# Altium PCB transceiver_board_V1.PcbDoc (part 2 of 3)
Units mm, origin at the board's own origin, x right, y up, seen from the top; angles counter-clockwise.
Board outline 93.88 x 97.28 mm, 4 copper layers (L1-CU, L2-CU, L3-CU, L4-CU), stack 1.602 mm thick; 102 components, 133 nets, 517 pads, 379 vias.
Unrouted connection lines stored in the file: 680.
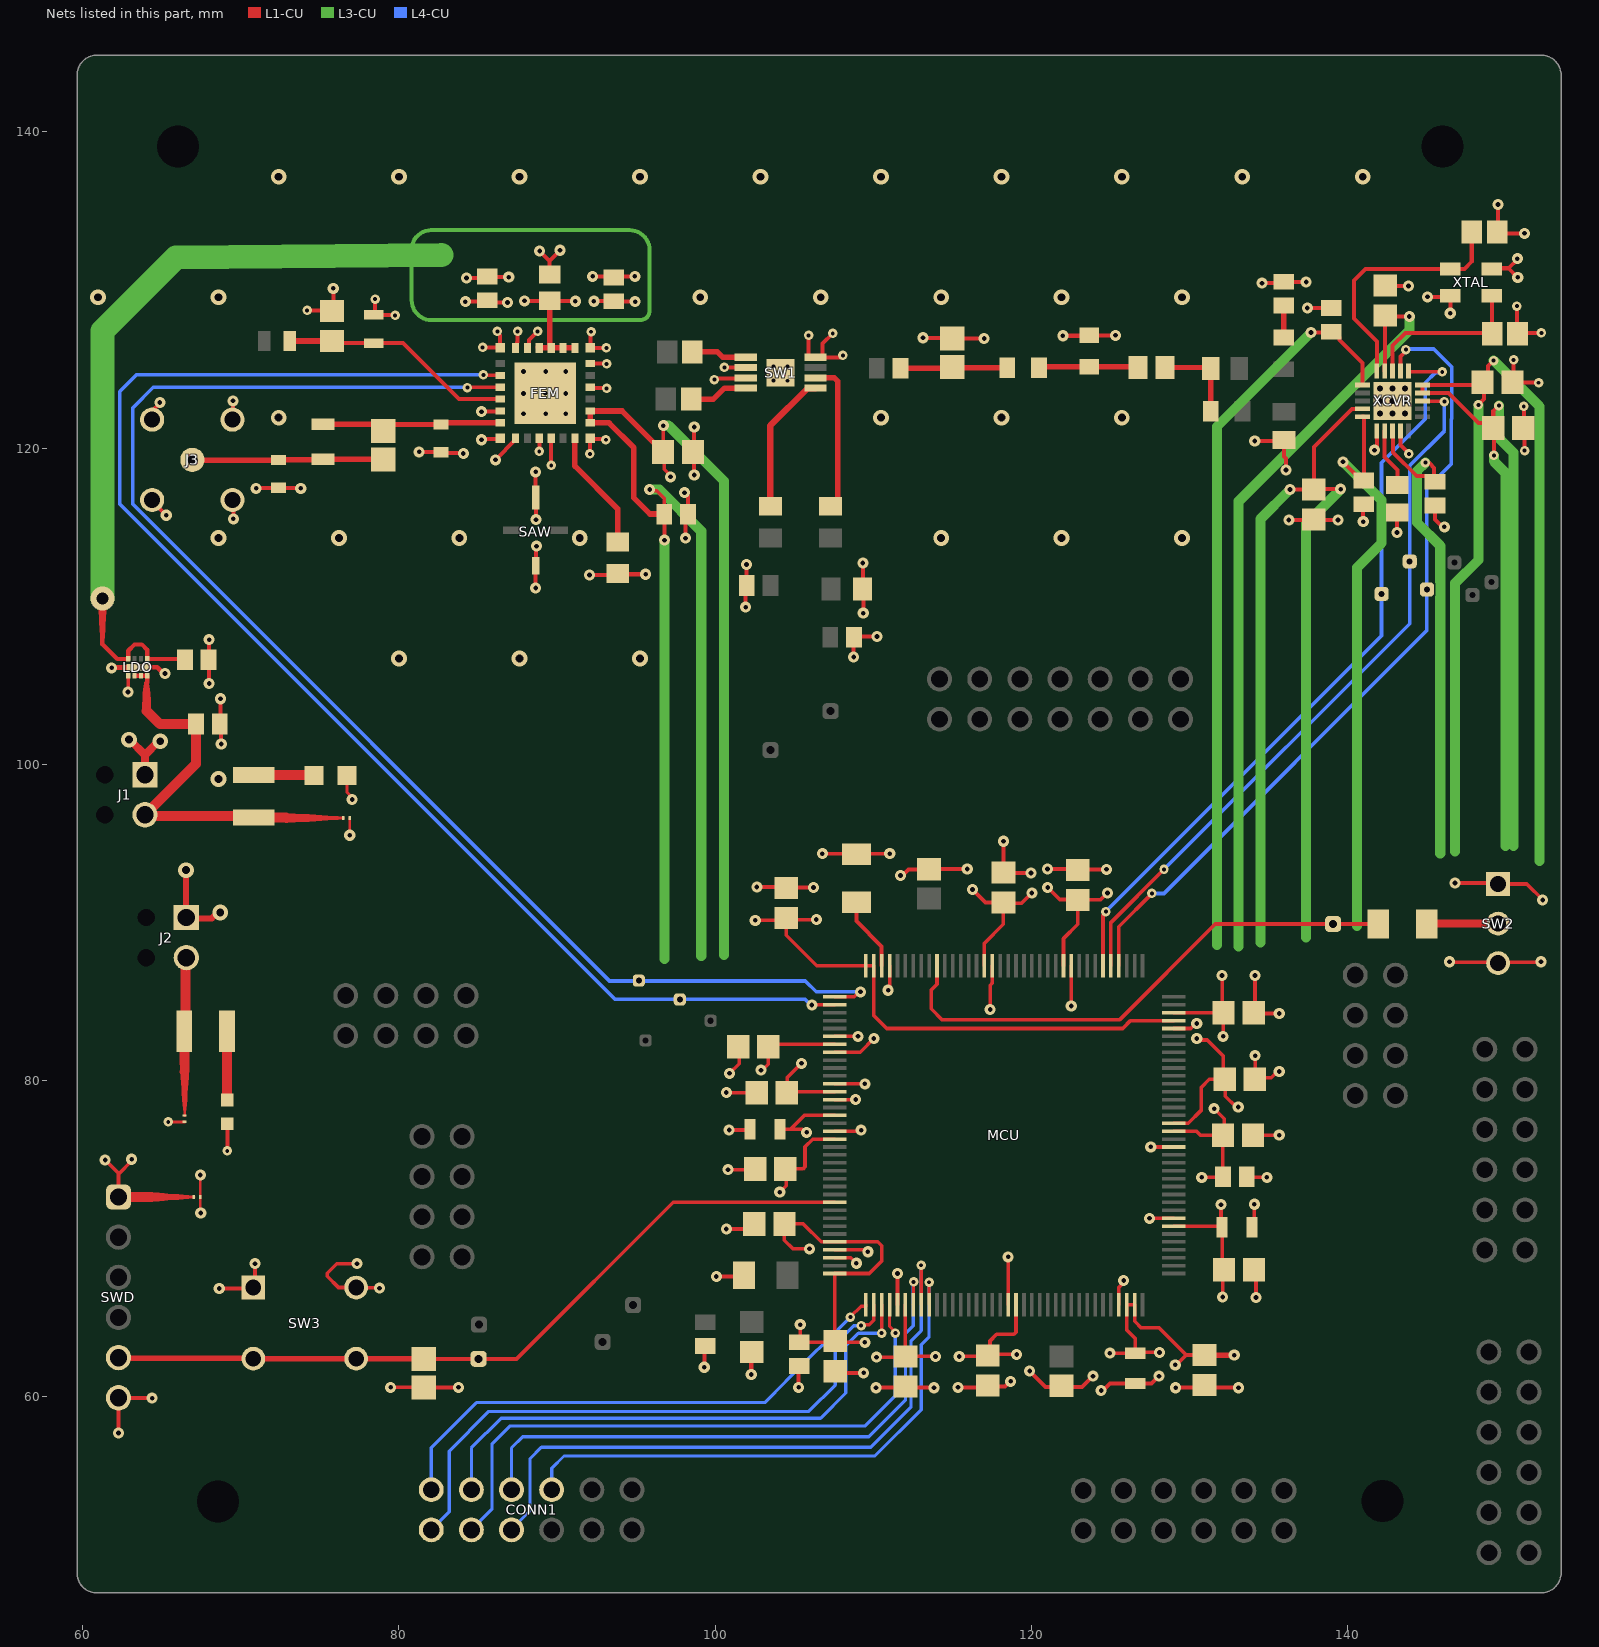
[diagram p4: the nets of this part, all layers, seen from the top]

## Part data (continued)
L5: library part CMP-006-00034-1, "General Purpose Inductor, 0.012uH, 5%, 1 Element, Ceramic-Core, SMD, 0805", Case/Size Code=0805, DC Resistance (DCR)=350mR, Inductance-Nom (L)=0.012uH, Inductor Application="RF INDUCTOR", Inductor Type="GENERAL PURPOSE INDUCTOR", Manufacturer Series=AIMC-0805, Max Current Rating=300mA, Max Operating Temperature=125°C, Min Operating Temperature=-55°C, Self Resonant Frequency=1.9GHz, Test Frequency=15MHz, Tolerance=5%, Channels=1, Core Material=Ceramic, Pins=2, Quality Factor-Min (at L-nom)=100, Reach SVHC Compliant=Yes, RoHS Compliant=Yes, Shape/Size Description="RECTANGULAR PACKAGE", Shielding=Unshielded, Surface Mount=Yes, Terminal Placement="Dual Ended", Termination=Wraparound
LDO: library part CMP-031-00016-2, "Fixed Positive LDO Regulator, 3.9V, 0.13V Dropout, CMOS, PDSO8", Case/Package=HVSON, Dropout Voltage1-Max=130mV, Manufacturer_Name=onsemi, Max Supply Voltage=5.5V, Min Input Voltage=4.4V, Mouser Part Number=863-NCP186AMX390TAG, Operating Temperature, TJ-Max=125°C, Operating Temperature, TJ-Min=-40°C, Output Current1-Max=1A, Output Voltage1-Max=3.939V, Output Voltage1-Min=3.822V, Output Voltage1-Nom=3.9V, Package Body Material=Plastic, Package Shape=Rectangular, Package Style="SMALL OUTLINE, HEAT SINK/SLUG, VERY THIN PROFILEMeter", Arrow Part Number=NCP186AMX390TAG, Arrow Price/Stock=https://www.arrow.com/en/products/ncp186amx390tag/on-semiconductor?region=nac, Channels=1, Datasheet Link=https://www.onsemi.com/pub/Collateral/NCP186-D.PDF, Design Item ID=NCP186AMX390TAG, Height - Seated (Max)=0.45mm, JESD-30 Code=R-PDSO-N8, JESD-609 Code=e4, Length=1.6mm, Manufacturer_Part_Number=NCP186AMX390TAG, Moisture Sensitivity Level=1, Mouser Price/Stock=https://www.mouser.co.uk/ProductDetail/onsemi/NCP186AMX390TAG?qs=tCMd4XlZ%2FiBm0g5PCqviEQ%3D%3D, Pins=8, Reach SVHC Compliant=Yes, Regulator Type="FIXED POSITIVE SINGLE OUTPUT LDO REGULATOR", RoHS Compliant=Yes, Source=SamacSys.SchLib, Surface Mount=Yes, Technology=CMOS, Terminal Finish=Nickel, Terminal Form="No Lead", Terminal Pitch=0.4mm, Terminal Position=DUAL, Width=1.2mm
LED1: library part CMP-007-00038-1, "Single Color LED, Orange, Water Clear, 1.4mm", Color=Orange, Forward Current=30mA, Forward Voltage=2.4V, Max Operating Temperature=85°C, Min Operating Temperature=-55°C, Reverse Voltage-Max=5V, Channels=1, Color@wavelength=Orange, JESD-609 Code=e3, Lens Style="WATER CLEAR", Luminous Intensity-Nom=60mcd, Mounting Technology="Surface Mount", Optoelectronic Device Type="SINGLE COLOR LED", Overall Height=1.1mm, Packaging="Tape and Reel", Pins=2, Reach SVHC Compliant=Yes, RoHS Compliant=Yes, Shape=Rectangular, Size=1.4mm, Terminal Finish=Tin, Terminal Pitch=2.1mm, Viewing Angle=130°
LED2: library part CMP-007-00024-2, "LED Uni-Color Red, 62.5 mW, 25 mA, -30 to 85 degC, 2-Pin SMD, RoHS, Tape and Reel", Case/Package=0603, Colour=Red, Forward Current=20mA, Forward Voltage=2V, Manufacturer=Lite-On, Max Operating Temperature=85°C, Min Operating Temperature=-55°C, Package Description="2-Pin Surface Mount Device, Body 1.6 x 0.8 mm", Package Quantity=3000, Package Reference=C191KRKT, Power=75mW, Datasheet URL=http://optoelectronics.liteon.com/upload/download/DS-22-99-0151/S_110_LTST-C190KRKT.pdf, Datasheet Version="Rev. F, 05/2013", Illumination Colour=Red, Lens Style=Diffused, Luminous Intensity=54mcd, Manufacturer URL=http://www.us.liteon.com/, Mounting Technology=SM, Nominal Vf=2V, Packaging=TapeandReel, Pins=2, RoHS Compliant=True, Viewing Angle=130degrees
MCU: library part CMP-058-000001-2, "No Description Available", Mfr_Name=STMicroelectronics, Design Item ID=STM32H745ZIT3, RefDes=RefDes, Source=STM32H745ZIT3.SchLib, Type=Type
MH1 MH2: library part CMP-00028-00000-5, "Copper Pillar, M2 Screw", Manufacturer="B&F Fastener Supply", Package Description="1-Pin Surface Mount Device, Diameter 3.7 mm", Case/Package=MPMS0020012PH, Datasheet URL=https://datasheet.ciiva.com/1034/metd7985a-1034196.pdf, Datasheet Version=42095, Drive Type=Phillips, Manufacturer URL=http://www.bffastenersupply.com/, Mounting Technology=TH, Package Reference=MPMS0020012PH, Pins=1, RoHS Compliant=False, Screw Head Type=PanHead, Thread Size=M2, Type=MachineScrew
MH3 MH4: library part CMP-00028-00000-4, "Copper Pillar, M2 Screw", Manufacturer="B&F Fastener Supply", Package Description="1-Pin Surface Mount Device, Diameter 3.7 mm", Case/Package=MPMS0020012PH, Datasheet URL=https://datasheet.ciiva.com/1034/metd7985a-1034196.pdf, Datasheet Version=42095, Drive Type=Phillips, Manufacturer URL=http://www.bffastenersupply.com/, Mounting Technology=TH, Package Reference=MPMS0020012PH, Pins=1, RoHS Compliant=False, Screw Head Type=PanHead, Thread Size=M2, Type=MachineScrew
R1 R2 R3 R8: library part CMP-009-00007-5, "Chip Resistor, 0 Ohm, 0.125 W, -55 to 155 degC, 0805 (2012 Metric)", Case/Package=0805, Max Operating Temperature=155°C, Min Operating Temperature=-55°C, Power=125mW, Tolerance=5%, Voltage Rating=50V, Mounting Technology=SM, Pins=2, RoHS Compliant=True
R4: library part CMP-009-00202-1, "Fixed Resistor, Metal Glaze/thick Film, 0.125W, 56000ohm, 150V, 5% +/-Tol, 200ppm/Cel, Surface Mount, 0805", Case/Package=0805, Max Operating Temperature=155°C, Min Operating Temperature=-55°C, Package Height=0.6mm, Package Length=2mm, Package Shape=Rectangular, Package Width=1.25mm, Power=125mW, Rated Temperature=70°C, Resistor Type="FIXED RESISTOR", Temperature Coefficient (ppm/Cel)=200, Tolerance=5%, Working Voltage=150V, Construction=Rectangular, JESD-609 Code=e3, Mounting Technology="Surface Mount", Packaging="Tape and Reel", Pins=2, Reach SVHC Compliant=Yes, Reference Standard=AEC-Q200, RoHS Compliant=Yes, Technology="METAL GLAZE/THICK FILM", Terminal Finish=Nickel, Termination=Wraparound
R5 R6: library part CMP-009-00203-1, "Fixed Resistor, Metal Glaze/thick Film, 0.5W, 150ohm, 200V, 5% +/-Tol, 200ppm/Cel, Surface Mount, 1210", Case/Package=1210, Max Operating Temperature=155°C, Min Operating Temperature=-55°C, Package Height=0.55mm, Package Length=3.2mm, Package Shape=Rectangular, Package Width=2.5mm, Power=500mW, Rated Temperature=70°C, Resistor Type="FIXED RESISTOR", Temperature Coefficient (ppm/Cel)=200, Tolerance=5%, Working Voltage=200V, Additional Feature="RATED AC VOLTAGE (V): 200", Construction=Chip, JESD-609 Code=e3, Mounting Technology="Surface Mount", Packaging="Tape and Reel", Pins=2, Reach SVHC Compliant=Yes, Reference Standard=AEC-Q200, RoHS Compliant=Yes, Technology="METAL GLAZE/THICK FILM", Terminal Finish=Nickel, Termination=Wraparound
R7: library part CMP-009-00200-1, "Fixed Resistor, Metal Glaze/thick Film, 0.125W, 10000ohm, 150V, 1% +/-Tol, 100ppm/Cel, Surface Mount, 0805", Case/Package=0805, Max Operating Temperature=155°C, Min Operating Temperature=-55°C, Package Height=0.5mm, Package Length=2mm, Package Shape=Rectangular, Package Width=1.25mm, Power=125mW, Rated Temperature=70°C, Resistor Type="FIXED RESISTOR", Temperature Coefficient (ppm/Cel)=100, Tolerance=1%, Working Voltage=150V, Additional Feature="LASER TRIMMABLE", Construction=Chip, JESD-609 Code=e3, Mounting Technology="Surface Mount", Packaging="Tape and Reel", Pins=2, Reach SVHC Compliant=Yes, RoHS Compliant=Yes, Technology="METAL GLAZE/THICK FILM", Terminal Finish=Nickel, Termination=Wraparound
R9: library part CMP-009-00201-1, "Fixed Resistor, Metal Glaze/thick Film, 0.25W, 47ohm, 200V, 5% +/-Tol, 200ppm/Cel, Surface Mount, 1206", Case/Package=1206, Max Operating Temperature=155°C, Min Operating Temperature=-55°C, Package Height=0.55mm, Package Length=3.2mm, Package Shape=Rectangular, Package Width=1.6mm, Power=250mW, Rated Temperature=70°C, Resistor Type="FIXED RESISTOR", Temperature Coefficient (ppm/Cel)=200, Tolerance=5%, Working Voltage=200V, Construction=Rectangular, JESD-609 Code=e3, Mounting Technology="Surface Mount", Packaging="Tape and Reel", Pins=2, Reach SVHC Compliant=Yes, Reference Standard=AEC-Q200, RoHS Compliant=Yes, Technology="METAL GLAZE/THICK FILM", Terminal Finish=Nickel, Termination=Wraparound
R10: library part CMP-009-00016-5, "Chip Resistor, 10 KOhm, +/- 1%, 0.25 W, -55 to 155 degC, 1206 (3216 Metric)  / Resistor 10k +/-1% 1206 250 mW / RC0805FR-0710KL", Case/Package=1206, Max Operating Temperature=155°C, Min Operating Temperature=-55°C, Power=250mW, Tolerance=1%, Voltage Rating=200V, Mounting Technology=SM, Pins=2, RoHS Compliant=True
R11: library part CMP-009-00016-5, "Chip Resistor, 10 KOhm, +/- 1%, 0.25 W, -55 to 155 degC, 1206 (3216 Metric)", Case/Package=1206, Max Operating Temperature=155°C, Min Operating Temperature=-55°C, Power=250mW, Tolerance=1%, Voltage Rating=200V, Mounting Technology=SM, Pins=2, RoHS Compliant=True
SAW: library part CMP-00025-00006-2, "433.92MHz SAW Resonator50 Ohm -40¡ãC ~ 125¡ãC Surface Mount"
SW1: library part CMP-031-00015-2, "SPDT, 10MHz Min, 3000MHz Max, 1 Func, 0.9dB Insertion Loss-Max, CMOS", Manufacturer_Name="Peregrine Semiconductor", Max Operating Temperature=85°C, Min Operating Temperature=-40°C, Mouser Part Number=81-PE4251MLI-Z, Operating Frequency-Max=3GHz, Operating Frequency-Min=10MHz, Package Body Material=Plastic, Package Equivalence Code=TSSOP8,.19, Power Supplies=3.3/5V, 1 dB Compression Point=30.5dBm, Channels=1, Characteristic Impedance=50R, Construction=COMPONENT, Datasheet Link=http://www.psemi.com/pdf/datasheets/pe4251ds.pdf, Design Item ID=PE4251MLI-Z, Height=1.06mm, Insertion Loss-Max=0.9dB, Isolation-Min=42dB, JESD-609 Code=e3, Manufacturer_Part_Number=PE4251MLI-Z, Mounting Technology="Surface Mount", Mouser Price/Stock=https://www.mouser.co.uk/ProductDetail/pSemi/PE4251MLI-Z?qs=iw0hurA%2FaD2z5EU4g7%252BX%2Fg%3D%3D, On Time-Nom=0.15us, Pins=8, Port Termination=ABSORPTIVE, Reach SVHC Compliant=Yes, RF/Microwave Device Type=SPDT, RoHS Compliant=Yes, Source=SamacSys.SchLib, Technology=CMOS, Terminal Finish=Tin
SW2: library part CMP-011-00006-2, "Slide Switch, SPDT, 500 V, -20 to 70 degC, 3-Pin THD, RoHS, Bulk", Contact Current Rating=200mA, Manufacturer=E-Switch, Max Operating Temperature=70°C, Min Operating Temperature=-20°C, Operating Force=250gf, Package Description="3-Pin Through Hole Device, Body 11.6 x 4 mm, Pitch 2.5 mm", Package Quantity=1000, Voltage Rating (AC)=30V, Case/Package=EG1218, Contact Finish=Silver, Contact Material=Copper, Contact Plating=Silver, Current Rating=200mA, Datasheet URL=https://www.e-switch.com/system/asset/product_line/data_sheet/119/EG.pdf, Datasheet Version=Oct-15, Manufacturer URL=http://www.e-switch.ch/en/, Mounting Technology=TH, Package Reference=EG1218, Packaging=Bulk, Pins=3, RoHS Compliant=True, Throw Configuration=SPDT, Voltage Rating (DC)=30V
SW3: library part CMP-011-00013-1, "Keypad Switch, 1 Switches, SPST, Momentary-tactile, 0.05A, 24VDC, 2.06N, 4 PCB Hole Cnt, Solder Terminal, Through Hole-straight", Contact Current(DC)-Max=50mA, Contact DC Max Rating R Load=.05A@24VDC, Contact Voltage(DC)-Max=24V, Max Operating Temperature=85°C, Min Operating Temperature=-35°C, Operating Force-Max=2.06N, Body Breadth=5.99mm, Body Height=3.61mm, Body Length or Diameter=5.99mm, Circuit Configuration=1X1, Mounting Technology="Through Hole", Number of Switches=1, Reach SVHC Compliant=Yes, RoHS Compliant=Yes, Switch Action=MOMENTARY, Switch Function=SPST, Switch Type=Keypad, Termination=Solder
SWD: library part CMP-002-00073-1, "Board Connector, 6 Contact(s), 1 Row(s), Male, Straight, 0.1 inch Pitch, Solder Terminal, Locking, Black Insulator, Plug for STM32 interface", Contact Resistance=20mR, Dielectric Withstanding Voltage (AC)=500V, Insulation Color=Black, Insulation Resistance=1GR, Max Operating Temperature=125°C, Min Operating Temperature=-40°C, Rated Current (Signal)=3A, Body Breadth=0.1inch, Body Depth=0.1inch, Body Length=0.6inch, Body/Shell Style=PLUG, Connector Type="BOARD CONNECTOR", Contact Finish - Mating=GOLD, Contact Finish - Termination="Gold (Au) - with Nickel (Ni) barrier", Contact Gender=Male, Contact Material="Copper Alloy", Contact Pattern=RECTANGULAR, Contact Style="SQ PIN-SKT", Insulation Material=Polybutylene, JESD-609 Code=e4, Mating Contact Pitch=0.1inch, Mounting Option 1=LOCKING, Mounting Style=STRAIGHT, Mounting Technology=Board, Number Of Connectors=1, Number of Contacts=6, Number of Rows Loaded=1, PCB Contact Pattern=RECTANGULAR, Reach SVHC Compliant=Yes, Reference Standard=UL, Reliability=COMMERCIAL, RoHS Compliant=Yes, Terminal Length=0.118inch, Terminal Pitch=2.54mm, Termination=Solder
XCVR: library part CMP-00025-00007-1, "RF and Baseband Circuit, PQCC20", Case/Package=HVQCCN, Max Operating Temperature=85°C, Min Operating Temperature=-40°C, Pins=20, RoHS Compliant=Yes
XTAL: library part CMP-003-00033-2, "Crystal 26.0000MHZ 10PF SMD"

## Free pads (board coordinates)
  round 2.032 on Mid2: 6(82.677,132.207)
  rrect50% 1.016x1.016 hole 0.508: 7(85.039,62.382) 7(85.065,64.541) 7(92.888,63.449) 7(94.818,65.786) 7(103.505,100.889) 7(107.302,103.353) 7(139.09,89.891)
  rrect50% 0.762x0.762 hole 0.381: 7(95.174,86.309) 7(95.606,82.525) 7(97.765,85.115) 7(99.72,83.769)
  rrect50% 0.889x0.889 hole 0.381: 7(142.164,110.769) 7(143.942,112.827) 7(145.034,111.049) 7(146.761,112.751) 7(147.904,110.693) 7(149.125,111.51)

## Via types
v1: diameter 0.7, hole 0.3, L1-CU to L4-CU, 201 vias
v2: diameter 0.6, hole 0.25, L1-CU to L4-CU, 140 vias
v3: diameter 1, hole 0.5, L1-CU to L4-CU, 36 vias
v4: diameter 1.524, hole 0.762, L1-CU to L4-CU, 1 vias
v5: diameter 0.7/0.7/0.7/0.7 (per signal layer), hole 0.3, L1-CU to L4-CU, 1 vias

## Nets (pads, with @x,y where several pads share a name; then routed paths per layer and width w, separated by ;. In a path a pad name is that pad's centre, name@x,y a point inside that pad or via, vN(x,y) a via of type N, cw(c..) or ccw(c..) an arc to the next point about the centre after c; other vN are vias at no path point)
3.3V: C2.2 C3.2 C4.2 C5.2 C6.2 C7.2 C8.2 C26.2 C27.2 C32.2 C33.1 C34.2 C35.2 C36.2 C37.1 C40.2 C41.2 C42.2 C43.2 C44.2 C45.2 C46.2 C47.2 C48.2 C49.2 C50.2 C51.2 C52.2 C53.1 D2.2 D3.2 FEM.16 FEM.17 J2.2 MCU.7 MCU.8 MCU.13 MCU.16 MCU.19 MCU.32 MCU.36 MCU.42 MCU.56 MCU.70 MCU.71 MCU.79 MCU.91 MCU.92 MCU.105 MCU.106 MCU.119 MCU.129 MCU.143 MCU.144 R6.2 R9.1 R11.2 SW2.1 SWD.1 XCVR.4 XCVR.5 XCVR.9 XCVR.11 XCVR.14 XCVR.15 XCVR.18 | length 679.7
  L1-CU w0.178: D2.2@66.446,77.775 66.446,78.143
  L1-CU w0.203: 66.446,78.143 66.446,78.384 ; 66.662,72.619 D3.2@67.031,72.619 ; C52.2@104.496,90.261 104.496,89.179 106.426,87.249 MCU.144@109.538,87.249 MCU.143@110.038,87.249
  L1-CU w0.229: v1(61.417,74.955) 62.255,74.117 ; SWD.1@62.255,72.619 62.255,74.066 63.094,74.905 v1(63.094,75.006) ; v1(95.86,117.373) 95.93,117.303 96.311,117.303 96.786,116.828 C26.2@96.786,115.824 96.799,115.811 v1(96.799,114.173) ; v1(96.723,121.412) 96.723,119.813 96.713,119.803 96.774,119.742 96.774,118.66 97.178,118.256 v1(97.178,118.177) ; v1(100.076,67.589) 101.748,67.589 R9.1@101.825,67.666 ; v1(102.54,90.119) 104.353,90.119 C52.2@104.496,90.261 104.587,90.17 v1(106.401,90.17) ; v1(102.895,80.645) 102.947,80.697 103.024,80.697 103.353,81.025 C40.2@103.353,82.108 ; C40.2@103.363,82.118 103.525,82.28 MCU.7@107.569,82.28 ; v1(104.089,72.923) 104.496,73.33 104.496,73.761 104.927,73.761 104.976,73.81 104.976,74.291 C42.2@105.025,74.341 ; C37.1@104.099,76.911 104.775,76.911 ; C42.2@104.44,74.397 105.555,74.397 105.689,74.531 105.689,75.794 106.176,76.28 MCU.19@107.569,76.28 ; C41.2@104.531,79.223 C41.2@104.566,79.257 ; v1(105.385,64.541) 105.385,63.476 C34.2@105.334,63.425 107.52,63.425 C32.2@107.594,63.5 ; v1@105.448,81.064 104.566,80.182 C41.2@104.566,79.257 ; v1(105.791,76.708) 105.725,76.708 105.521,76.911 104.775,76.911 ; v1(105.969,69.342) 104.927,69.342 104.379,69.891 C43.2@104.379,70.917 105.579,70.917 106.715,69.78 MCU.32@107.569,69.78 110.294,69.78 110.538,69.537 110.538,68.566 109.752,67.78 MCU.36@107.569,67.78 107.569,63.525 C32.2@107.594,63.5 ; v1(106.782,94.336) 108.916,94.336 R11.2@108.941,94.311 108.965,94.336 v1(111.049,94.336) ; MCU.16@107.569,77.78 105.644,77.78 104.775,76.911 ; MCU.13@107.569,79.28 104.589,79.28 C41.2@104.566,79.257 ; MCU.8@107.569,81.78 109.177,81.78 v1(110.038,82.641) ; v1(109.474,63.424) 107.671,63.424 C32.2@107.594,63.5 ; MCU.143@110.038,87.249 110.038,84.101 110.858,83.28 125.782,83.28 126.282,83.78 MCU.105@129.007,83.78 ; v1(110.211,62.484) 111.989,62.484 C44.2@112.039,62.535 ; MCU.42@112.038,65.811 112.038,65.189 112.039,65.187 C44.2@112.039,62.535 ; v1(113.944,62.535) C44.2@112.039,62.535 ; v1(115.443,62.535) 117.177,62.535 C45.2@117.246,62.604 117.386,62.744 117.386,63.513 117.805,63.932 118.904,63.932 119.038,64.066 MCU.56@119.038,65.811 ; v1(116.281,92.075) 117.104,91.252 C51.2@118.237,91.252 ; MCU.129@117.038,87.249 117.038,88.669 118.237,89.868 C51.2@118.237,91.252 ; C45.2@117.386,62.644 117.404,62.662 v1(119.075,62.662) ; v1(120.038,91.846) 119.403,91.211 118.278,91.211 C51.2@118.237,91.252 ; v1(121.038,92.202) 121.8,91.44 122.911,91.44 C50.2@122.936,91.415 ; MCU.119@122.038,87.249 122.038,88.967 122.936,89.865 C50.2@122.936,91.415 ; v1(124.816,91.846) 124.384,91.415 C50.2@122.936,91.415 ; v1(124.968,62.738) C33.1@126.568,62.738 ; C33.1@126.568,62.733 C33.1@126.568,62.738 ; v1(128.118,62.789) 126.619,62.789 C33.1@126.568,62.738 ; MCU.79@129.007,70.78 C53.1@132.003,70.78 ; MCU.91@129.007,76.78 130.457,76.78 130.707,76.53 C36.2@132.121,76.53 ; MCU.92@129.007,77.28 129.934,77.28 130.742,78.088 130.742,79.536 131.267,80.061 C48.2@132.156,80.061 ; MCU.106@129.007,84.28 C49.2@132.168,84.28 ; v1(129.108,62.001) 129.185,62.001 129.805,62.621 ; v1(130.467,82.641) 130.558,82.55 131.137,82.55 132.156,81.531 132.156,80.142 132.277,80.021 132.277,79 132.968,78.308 v1(133.096,78.308) ; v1(130.785,73.863) 132.104,73.863 C35.2@132.129,73.889 132.121,73.897 C36.2@132.121,76.53 ; C46.2@130.962,62.621 129.805,62.621 ; v1(131.572,78.207) 132.207,77.572 132.207,76.617 C36.2@132.121,76.53 ; v1(132.004,72.136) C53.1@132.004,70.78 ; v1(132.071,86.627) 132.071,84.377 C49.2@132.168,84.28 ; v1(132.105,66.294) 132.105,67.945 C47.2@132.182,68.021 132.07,68.133 C53.1@132.07,70.714 C53.1@132.004,70.78 ; v1(132.137,82.78) 132.137,84.243 C49.2@132.171,84.277 C49.2@132.168,84.28 ; v1(146.812,92.481) 149.464,92.481 SW2.1@149.53,92.416 151.348,92.416 v1(152.349,91.415) ; C33.1@126.568,62.738 126.568,63.678 126.038,64.208 MCU.70@126.038,65.811 MCU.71@126.538,65.811 126.538,64.75 126.949,64.338 128.088,64.338 129.805,62.621
  L1-CU w0.254: 66.319,72.619 66.662,72.619 ; v1(136.373,117.373) 137.861,117.373 C7.2@137.871,117.384 ; v1(137.693,127.305) 139.088,127.305 139.139,127.356 139.512,126.983 139.512,126.833 140.958,125.386 XCVR.11@140.958,123.98 ; v1(139.573,117.399) 137.886,117.399 C7.2@137.871,117.384 ; v1(139.725,119.126) 139.725,119.116 140.896,117.946 C8.2@141.046,117.946 141.046,121.954 141.021,121.98 XCVR.15@140.958,121.98 ; XCVR.14@140.958,122.48 140.285,122.48 137.871,120.066 C7.2@137.871,117.384 ; XCVR.9@142.357,124.878 142.357,125.202 142.392,125.238 C5.2@142.392,128.387 142.458,128.321 v1(143.916,128.321) ; XCVR.18@142.857,121.081 142.882,121.056 142.882,119.729 144.386,118.225 145.187,118.225 C4.2@145.491,117.92 ; v2(144.932,119.075) 144.999,119.009 145.233,119.009 145.491,118.75 C4.2@145.491,117.92 ; C4.2@145.542,117.869 C4.2@145.491,117.92 ; v2(148.285,122.733) 148.641,123.088 148.641,123.718 C2.2@148.379,123.98 ; v2(149.25,125.535) 148.895,125.179 148.895,124.496 C2.2@148.554,124.155 C2.2@148.379,123.98 ; v2(149.259,119.537) 149.259,121.225 C3.2@149.225,121.26 ; v2(149.581,122.682) 149.225,122.326 C3.2@149.225,121.26 ; C2.2@148.379,123.98 XCVR.5@144.755,123.98 XCVR.4@144.755,123.48 146.395,123.48 148.293,121.582 148.902,121.582 C3.2@149.225,121.26
  L1-CU w0.279: 66.446,78.384 66.446,78.715
  L1-CU w0.305: 66.015,72.619 66.319,72.619
  L1-CU w0.33: 66.446,78.715 66.446,79.07
  L1-CU w0.356: 65.684,72.619 66.015,72.619 ; C27.2@96.713,119.803 96.191,120.325 96.141,120.325 94.122,122.344 FEM.17@92.101,122.344 FEM.16@92.101,121.594 93.29,121.594 94.865,120.019 94.865,116.844 95.885,115.824 C26.2@96.786,115.824 ; C46.2@130.962,62.621 130.973,62.611 v1(132.842,62.611)
  L1-CU w0.381: 66.446,79.07 66.446,79.451
  L1-CU w0.406: 65.329,72.619 65.684,72.619
  L1-CU w0.432: 66.446,79.451 66.446,79.756
  L1-CU w0.457: 65.075,72.619 65.329,72.619
  L1-CU w0.483: 66.446,79.756 66.446,80.086
  L1-CU w0.508: 64.77,72.619 65.075,72.619
  L1-CU w0.533: 66.421,80.543 66.446,80.518 66.446,80.086
  L1-CU w0.559: 64.364,72.619 64.77,72.619
  L1-CU w0.584: 66.421,80.543 66.446,80.569 66.446,81.077
  L1-CU w0.61: 64.059,72.619 64.364,72.619
  L1-CU w0.635: 66.446,81.077 66.446,83.079 R6.2@66.417,83.109 66.482,83.175 66.482,87.691 J2.2@66.548,87.757
  L1-CU w0.66: SWD.1@62.255,72.619 64.059,72.619
  L3-CU w0.635: v1(95.86,117.373) 96.487,117.373 99.123,114.737 99.123,87.879 ; v1(96.723,121.412) 97.061,121.412 100.559,117.915 100.559,87.915 ; 96.799,87.687 v1(96.799,114.173) ; 131.75,88.571 131.75,121.361 v1(137.693,127.305) ; 133.121,88.468 133.121,116.638 143.916,127.433 v1(143.916,128.321) ; 134.493,88.728 134.493,115.494 v1(136.373,117.373) ; 137.389,89.025 137.389,115.214 v1(139.573,117.399) ; v1(139.725,119.126) 142.154,116.697 142.154,113.981 140.614,112.441 140.614,89.775 ; v2(144.932,119.075) 144.398,118.54 144.398,115.285 145.872,113.81 145.872,111.562 145.898,111.537 145.898,110.561 145.872,110.535 145.872,94.336 ; 146.812,94.488 146.812,111.45 148.285,112.923 v2(148.285,122.733) ; v2(149.25,125.535) 152.145,122.64 152.145,93.878 ; v2(149.259,119.537) 149.259,119.168 149.987,118.44 149.987,111.999 149.989,111.998 149.989,111.022 149.987,111.02 149.987,94.818 ; v2(149.581,122.682) 149.581,120.632 150.51,119.703 150.51,94.818
  other v1: 105.461,81.077
3.9V: C18.2 C19.2 C20.2 C29.2 FEM.23 FEM.24 FEM.25 FEM.26 LDO.1 LDO.4 pad.6 | length 103.6
  L1-CU w0.254: LDO.4@62.878,106.655 62.878,106.883 ; v5(84.201,129.261) 85.51,129.261 C18.2@85.598,129.349 85.737,129.21 v1(86.868,129.21) ; v1(87.935,129.311) 89.524,129.311 C19.2@89.535,129.322 89.571,129.286 v1(91.161,129.286) ; v1(92.329,129.286) 93.598,129.286 C20.2@93.599,129.285 93.623,129.261 v1(94.945,129.261)
  L1-CU w0.279: 61.239,108.001 61.239,107.594 62.179,106.655 LDO.4@62.878,106.655 ; 62.881,106.886 62.881,107.178 63.271,107.569 63.738,107.569 64.078,107.23 LDO.1@64.078,106.655 66.408,106.655 C29.2@66.458,106.604
  L1-CU w0.305: 61.239,108.001 61.239,108.204
  L1-CU w0.356: FEM.26@88.83,126.382 FEM.26@88.881,126.331 FEM.25@89.535,126.331 ; C19.2@89.535,129.322 89.535,126.503 89.631,126.408 FEM.25@89.631,126.331 FEM.24@90.381,126.331 ; FEM.24@90.431,126.382 FEM.24@90.381,126.331 ; FEM.23@91.131,126.331 FEM.24@90.381,126.331
  L1-CU w0.381: 61.239,108.382 61.239,108.839
  L1-CU w0.406: 61.239,108.839 61.239,109.093
  L1-CU w0.432: 61.239,109.093 61.239,109.398
  L1-CU w0.457: 61.239,109.398 61.239,109.576
  L1-CU w0.508: 61.239,109.576 v4(61.239,110.49)
  L3-CU w0.254: 94.564,133.782 82.779,133.782 82.042,133.782 ccw(c82.042,132.537) 80.797,132.537 80.797,129.362 ccw(c82.067,129.362) 82.067,128.092 95.255,128.092 ccw(c95.255,128.697) 95.86,128.697 95.86,128.925 95.86,131.978 95.86,132.512 ccw(c94.59,132.512) 94.59,133.782
  L3-CU w1.524: v4(61.239,110.49) 61.239,127.406 65.888,132.055 pad.6@82.677,132.207
5V: C28.2 D1.2 J1.2 LDO.6 LDO.7 LDO.8 R5.2 | length 26.2
  L1-CU w0.178: 76.111,96.596 D1.2@76.479,96.596
  L1-CU w0.229: 75.819,96.596 76.111,96.596
  L1-CU w0.279: LDO.6@63.278,105.605 LDO.7@63.678,105.605 LDO.8@64.078,105.605 64.068,105.595 64.068,105.165 64.033,105.131 ; 75.438,96.596 75.819,96.596
  L1-CU w0.33: 64.033,104.953 64.033,105.131 ; 75.082,96.596 75.438,96.596
  L1-CU w0.381: 64.033,104.75 64.033,104.953 ; 74.676,96.596 75.082,96.596
  L1-CU w0.432: 64.033,104.521 64.033,104.75 ; 74.27,96.596 74.676,96.596
  L1-CU w0.483: 64.033,104.165 64.033,104.521 ; 73.812,96.596 74.27,96.596
  L1-CU w0.533: 64.033,103.835 64.033,104.165 ; 73.355,96.596 73.812,96.596
  L1-CU w0.584: 64.033,103.378 64.033,103.835 ; 72.873,96.596 73.355,96.596
  L1-CU w0.635: 64.033,103.378 64.87,102.542 C28.2@67.158,102.542 67.158,100.025 J1.2@63.932,96.799 64.021,96.71 70.726,96.71 R5.2@70.815,96.622 72.847,96.622 72.873,96.596
Antenna: C23.1 C25.1 J3.1 L5.1 | length 12.1
  L1-CU w0.343: J3.1@66.943,119.239 C25.1@72.39,119.239 72.416,119.265 75.158,119.265 L5.1@75.184,119.291 78.97,119.291 C23.1@78.994,119.267
BOOT0: MCU.135 pad.7@139.09,89.891 R10.1 | length 34
  L1-CU w0.229: MCU.135@114.038,87.249 114.038,86.085 113.673,85.72 113.673,84.52 114.373,83.82 125.578,83.82 131.648,89.891 pad.7@139.09,89.891 R10.1@141.96,89.891
BYP: FEM.4 MCU.1 pad.7@95.174,86.309 | length 90.5
  L1-CU w0.229: v2(84.328,123.825) 84.338,123.835 86.401,123.835 FEM.4@86.41,123.844 ; MCU.1@107.569,85.28 108.803,85.28 109.121,85.598 v1(109.195,85.598)
  L4-CU w0.229: v2(84.328,123.825) 84.303,123.85 64.465,123.85 63.17,122.555 63.17,116.434 93.32,86.284 95.174,86.284 105.708,86.284 106.394,85.598 v1(109.195,85.598)
CSn: MCU.112 pad.7@145.034,111.049 XCVR.7 | length 51.9
  L1-CU w0.229: MCU.112@125.538,87.249 125.538,89.724 127.633,91.819 v2(127.637,91.819) ; XCVR.7@143.357,124.878 143.357,125.788 143.697,126.128 v2(143.697,126.229)
  L4-CU w0.229: v2(127.637,91.819) 127.639,91.821 128.397,91.821 145.027,108.451 145.027,111.049 145.027,117.444 146.574,118.991 146.574,121.827 146.604,121.857 146.604,125.125 145.466,126.263 143.731,126.263 v2(143.697,126.229)
EN: FEM.3 MCU.2 pad.7@97.765,85.115 | length 90
  L1-CU w0.229: v2(85.334,124.624) 85.364,124.594 FEM.3@86.41,124.594 ; v1(106.121,84.771) 106.13,84.78 MCU.2@107.569,84.78
  L4-CU w0.229: v2(85.334,124.624) 63.385,124.624 62.332,123.571 62.332,116.459 93.65,85.141 105.663,85.141 106.032,84.771 v1(106.121,84.771)
GDO0: MCU.114 pad.7@142.164,110.769 XCVR.6 | length 48.9
  L1-CU w0.229: MCU.114@124.538,87.249 124.538,90.442 124.714,90.618 v2(124.714,90.678) ; XCVR.6@143.857,124.878 143.857,124.854 143.895,124.816 v2(145.999,124.816)
  L4-CU w0.229: v2(124.714,90.678) 142.154,108.118 142.154,119.064 144.927,121.837 144.927,124.132 145.568,124.773 145.957,124.773 v2(145.999,124.816)
GDO2: MCU.113 pad.7@143.942,112.827 XCVR.3 | length 45.8
  L1-CU w0.229: MCU.113@125.038,87.249 125.038,89.986 v2(128.397,93.345) ; XCVR.3@144.755,122.98 144.781,122.954 146.106,122.954 v2(146.132,122.929)
  L4-CU w0.229: v2(128.397,93.345) 143.942,108.89 143.942,118.888 146.136,121.082 146.136,122.925 v2(146.132,122.929)
GND: C1.2 C2.1 C3.1 C4.1 C5.1 C6.1 C7.1 C8.1 C9.1 C10.2 C13.2 C14.2 C15.1 C16.2 C17.2 C18.1 C19.1 C20.1 C21.1 C22.2 C24.2 C25.2 C26.1 C27.1 C28.1 C29.1 C30.1 C31.1 C32.1 C33.2 C34.1 C35.1 C36.1 C37.2 C38.2 C39.2 C40.1 C41.1 C42.1 C43.1 C44.1 C45.1 C46.1 C47.1 C48.1 C49.1 C50.1 C51.1 C52.1 C53.2 C54.1 D1.1 D2.1 D3.1 FEM.1 FEM.6 FEM.8 FEM.9 FEM.11 FEM.12 FEM.15 FEM.19 FEM.21 FEM.22 FEM.27 FEM.28 FEM.29 J1.1 J2.1 J3.2 J3.3 J3.4 J3.5 LDO.5 LDO.9 LED1.1 LED2.2 MCU.6 MCU.12 MCU.14 MCU.18 MCU.33 MCU.34 MCU.41 MCU.55 MCU.69 MCU.80 MCU.89 MCU.104 MCU.118 MCU.128 MCU.141 R3.1 R4.2 R8.1 SAW.2 SAW.4 SW1.4 SW1.6 SW1.7 SW1.9 SW2.3 SW3.1 SW3.2 SWD.6 XCVR.16 XCVR.19 XCVR.21 XCVR.V XTAL.2 XTAL.4 | length 264.3
  L1-CU w0.152: v1@67.437,71.628 D3.1@67.437,72.619 v1(67.437,74.016) ; v1(76.886,95.504) D1.1@76.886,96.596
  L1-CU w0.178: v2(65.405,77.368) D2.1@66.446,77.368 ; v1@67.437,71.628 v1(67.462,71.603) ; LED1.1@76.717,99.289 76.717,98.228 77.038,97.906 v1(77.038,97.765)
  L1-CU w0.229: v1(62.255,57.683) SWD.6@62.255,59.919 62.268,59.906 64.376,59.906 v1(64.389,59.893) ; v1(62.865,104.572) 62.871,104.578 62.871,105.598 LDO.5@62.878,105.605 ; v1(68.631,66.827) 70.725,66.827 SW3.1@70.791,66.893 70.891,66.893 v1(70.891,68.402) ; v1(77.343,68.402) 76.06,68.402 75.456,67.799 75.456,67.61 76.173,66.893 SW3.2@77.291,66.893 77.311,66.873 78.745,66.873 v1(78.765,66.853) ; v1(79.477,60.579) 81.548,60.579 C54.1@81.559,60.567 83.757,60.567 v1(83.769,60.579) ; v1(100.711,79.223) C41.1@102.631,79.223 ; v1(100.813,74.346) 102.489,74.346 C42.1@102.54,74.397 ; v1(100.889,76.86) 102.149,76.86 C37.2@102.199,76.911 ; v1(100.914,80.442) 101.524,81.051 101.524,82.057 C40.1@101.463,82.118 ; MCU.34@107.569,68.78 108.584,68.78 v1(108.936,68.428) ; MCU.33@107.569,69.28 109.41,69.28 109.535,69.155 v1(109.663,69.155) ; MCU.18@107.569,76.78 109.171,76.78 v1(109.238,76.848) ; MCU.14@107.569,78.78 v1(108.89,78.78) ; MCU.12@107.569,79.78 v1(109.474,79.78) ; MCU.6@107.569,82.78 v1(109.042,82.78) ; v1(110.947,85.7) 110.947,85.827 111.038,85.918 MCU.141@111.038,87.249 ; MCU.41@111.538,65.811 v1(111.538,67.78) ; v1(117.398,84.477) 117.398,86.019 117.538,86.159 MCU.128@117.538,87.249 ; MCU.55@118.538,65.811 118.538,68.83 v1(118.542,68.834) ; v1(122.53,84.709) 122.538,84.717 MCU.118@122.538,87.249 ; MCU.69@125.538,65.811 125.538,66.894 125.847,67.204 v1(125.847,67.332) ; v1(127.483,71.272) 127.49,71.28 MCU.80@129.007,71.28 ; v1(127.559,75.794) 127.572,75.78 MCU.89@129.007,75.78 ; MCU.104@129.007,83.28 130.086,83.28 130.408,83.602 v1(130.467,83.602) ; C35.1@133.629,73.889 133.655,73.863 v1(134.899,73.863) ; C53.2@133.97,70.714 134.112,70.856 v1(134.112,72.161) ; C36.1@134.021,76.53 v1(135.687,76.53) ; C47.1@134.082,68.021 134.214,67.889 v1(134.214,66.269) ; C48.1@134.137,80.061 C48.1@134.163,80.086 ; v1(134.153,86.627) 134.153,84.358 134.087,84.292 134.153,84.226 v1(135.687,84.226) ; v1(134.163,81.559) C48.1@134.163,80.086 ; v1(135.687,80.561) 135.579,80.561 135.18,80.162 134.239,80.162 C48.1@134.163,80.086 ; v1(146.456,87.503) 146.5,87.459 149.486,87.459 SW2.3@149.53,87.416 149.573,87.459 152.204,87.459 v1(152.248,87.503)
  L1-CU w0.254: J3.4@64.389,116.713 64.389,116.637 v1(65.278,115.748) ; J3.5@64.389,121.793 64.389,122.334 64.872,122.817 v1(64.872,122.885) ; J2.1@66.523,90.322 J2.1@66.548,90.297 J2.1@66.599,90.246 ; v1(67.996,105.105) 67.996,106.566 C29.1@67.958,106.604 67.996,106.641 v1(67.996,107.874) ; v1(68.707,104.14) 68.707,102.591 C28.1@68.658,102.542 68.758,102.442 v1(68.758,101.27) ; v2(69.139,75.54) LED2.2@69.139,77.253 ; J3.3@69.469,116.713 69.52,116.662 v1(69.52,115.519) ; J3.2@69.469,121.793 69.494,121.818 v1(69.494,122.987) ; v1(70.968,117.45) 70.987,117.469 72.37,117.469 C25.2@72.39,117.489 72.41,117.469 73.767,117.469 v1(73.787,117.45) ; v2(74.193,128.702) 75.743,128.702 C21.1@75.768,128.676 75.844,128.753 v1(75.844,130.099) ; v2(78.486,129.413) 78.486,128.515 C22.2@78.41,128.438 78.431,128.418 79.735,128.418 v2(79.756,128.397) ; v1(81.28,119.761) 81.291,119.75 82.64,119.75 C24.2@82.652,119.738 82.691,119.699 84.035,119.699 v1(84.074,119.659) ; v1(84.277,130.759) 85.508,130.759 C18.1@85.598,130.849 85.637,130.81 v1(86.944,130.81) ; v1(85.217,120.523) 85.26,120.566 86.368,120.566 FEM.8@86.41,120.608 ; v1(85.217,122.301) 85.239,122.323 86.389,122.323 FEM.6@86.41,122.344 ; v2(85.293,126.365) 85.31,126.348 86.394,126.348 86.394,127.127 86.233,127.287 v2(86.233,127.381) ; v1(86.106,119.253) 86.106,119.257 87.381,120.531 FEM.9@87.381,120.607 ; FEM.28@87.381,126.331 87.482,126.433 87.482,126.679 87.503,126.7 v2(87.503,127.381) ; FEM.27@88.131,126.331 88.232,126.433 88.232,126.84 v2(88.773,127.381) ; v1(88.646,111.15) SAW.2@88.646,112.56 88.671,112.585 88.671,113.767 v1(88.697,113.792) ; v1(88.646,118.491) SAW.4@88.646,116.865 88.659,116.853 88.659,115.481 v1(88.671,115.468) ; v2(88.875,119.786) 88.878,119.789 88.878,120.604 FEM.11@88.881,120.607 ; v1(88.9,132.461) 89.535,131.826 ; C19.1@89.568,131.193 C19.1@89.535,131.193 ; FEM.12@89.631,120.607 89.634,120.604 v2(89.634,118.9) ; v1(90.195,132.512) 90.195,132.486 89.535,131.826 ; v1(92.05,111.963) 93.749,111.963 93.8,112.014 v1(95.606,112.014) ; v2(92.075,119.634) 92.088,119.647 92.088,120.595 92.118,120.566 93.048,120.566 v2(93.091,120.523) ; FEM.19@92.101,123.844 92.136,123.809 93.107,123.809 v2(93.142,123.774) ; FEM.21@92.101,125.344 92.111,125.334 93.131,125.334 v2(93.142,125.324) ; v2(92.151,127.356) 92.126,127.33 92.126,126.357 92.147,126.336 93.112,126.336 v2(93.116,126.34) ; v1(92.253,130.861) 93.523,130.861 C20.1@93.599,130.785 93.675,130.861 v1(94.92,130.861) ; v1(98.069,117.177) 98.286,116.96 C26.1@98.286,115.824 ; v1(98.129,114.299) 98.129,115.63 C26.1@98.298,115.799 ; v1(98.679,118.288) v1(98.679,121.336) ; v1(99.314,61.849) 99.314,63.118 C31.1@99.39,63.194 ; v2(99.949,124.333) 100.002,124.386 101.887,124.386 SW1.7@101.94,124.44 ; v2(100.584,125.095) 100.587,125.092 101.937,125.092 SW1.6@101.94,125.09 ; v1(100.711,70.592) 102.154,70.592 C43.1@102.479,70.917 ; v1(101.93,109.931) 101.93,111.236 C1.2@101.997,111.303 101.981,111.319 v1(101.981,112.624) ; v1(102.286,61.392) 102.286,62.794 C30.1@102.311,62.819 ; v1(102.641,92.227) 104.409,92.227 104.485,92.151 C52.1@104.496,92.161 104.536,92.202 v1(106.223,92.202) ; v1(105.283,60.579) 105.283,61.874 C34.1@105.334,61.925 ; v2(105.918,127.127) 105.918,125.838 106.016,125.74 SW1.4@106.34,125.74 106.707,125.74 106.805,125.838 106.805,126.617 v2(107.442,127.254) ; SW1.4@106.805,125.735 107.888,125.735 108.01,125.857 v2(108.077,125.857) ; C32.1@107.594,61.6 107.701,61.493 v1(109.398,61.493) ; v1(108.763,106.782) 108.763,108.018 C9.1@108.78,108.036 108.822,108.077 v1(110.236,108.077) ; v1(109.347,112.725) 109.347,111.108 109.372,111.082 v1(109.372,109.55) ; v1(110.185,60.554) 111.958,60.554 C44.1@112.039,60.635 112.121,60.554 v1(113.843,60.554) ; v1(111.735,92.964) 111.855,92.964 112.24,93.349 C39.2@113.538,93.349 113.56,93.37 v1(115.951,93.37) ; v1(113.157,126.975) 114.964,126.975 C14.2@115.011,126.928 115.015,126.924 v1(117.018,126.924) ; v1(115.367,60.579) 117.122,60.579 117.231,60.689 117.29,60.63 118.343,60.63 118.67,60.956 v1(118.698,60.956) ; v1(118.237,95.123) C51.1@118.237,93.152 118.273,93.116 v1(119.99,93.116) ; v1(119.898,61.609) 120.902,60.604 123.219,60.604 v1(123.898,61.283) ; v1(121.031,93.37) 122.88,93.37 C50.1@122.936,93.315 122.966,93.345 v1(124.765,93.345) ; v1(121.996,127.102) 123.638,127.102 C13.2@123.673,127.136 123.682,127.127 v1(125.324,127.127) ; v1(124.423,60.383) 124.544,60.383 124.994,60.833 C33.2@126.568,60.833 127.599,60.833 128.049,61.283 v1(128.088,61.283) ; v1(129.134,60.554) 130.795,60.554 C46.1@130.962,60.721 131.13,60.554 v1(133.115,60.554) ; v1(134.137,120.447) 135.931,120.447 C10.2@135.992,120.507 135.992,119.475 136.119,119.348 136.119,118.618 v1(136.12,118.617) ; v1(134.595,130.429) 135.877,130.429 C15.1@135.966,130.519 135.98,130.505 v1(137.389,130.505) ; v1(136.296,115.443) 137.831,115.443 C7.1@137.871,115.484 137.912,115.443 v1(139.408,115.443) ; v1(137.465,128.854) 138.987,128.854 C6.1@138.989,128.856 ; v1(141,115.341) 141,116.399 C8.1@141.046,116.446 ; v1(141.707,119.863) 141.707,119.983 141.857,120.133 XCVR.16@141.857,121.081 XCVR.16@141.857,121.405 ; C5.1@142.392,130.287 142.428,130.251 v1(143.866,130.251) ; v1(143.129,114.656) 143.129,115.889 R4.2@143.154,115.914 ; XCVR.19@143.357,121.081 143.357,120.2 143.891,119.666 v2(143.891,119.634) ; v1(145.059,129.565) 146.456,129.565 146.507,129.514 v1(146.507,128.524) ; C4.1@145.542,116.369 145.542,115.488 146.019,115.011 v1(146.133,115.011) ; XTAL.2@149.136,131.33 XTAL.2@149.365,131.33 ; XTAL.2@149.365,131.372 150.2,131.372 ; v1(149.53,135.407) 149.53,133.743 149.694,133.579 v1(151.206,133.579) ; C2.1@150.454,124.155 150.48,124.13 v2(152.095,124.13) ; C2.1@150.505,124.206 150.52,124.221 v2(150.52,125.578) ; v2(150.724,128.981) 150.724,127.267 C17.2@150.762,127.229 150.813,127.279 v2(152.273,127.279) ; v1(150.749,131.978) 150.749,131.921 150.2,131.372 ; v1(150.774,130.798) 150.2,131.372 ; v2(151.155,122.631) 151.155,121.29 C3.1@151.125,121.26 151.206,121.178 v2(151.206,119.837) ; C19.1@89.535,131.193 89.319,131.193 C19.1@89.535,130.977 C19.1@89.535,131.193 ; C19.1@89.535,131.193 89.535,131.826
  L1-CU w0.305: v1(61.824,106.096) 61.84,106.113 63.461,106.113 LDO.9@63.478,106.13 64.705,106.13 65.095,105.74 v1(65.202,105.74)
  L1-CU w0.381: J2.1@66.523,90.322 v3(66.523,93.294) ; J2.1@66.599,90.246 68.158,90.246 68.53,90.617 v3(68.697,90.617)
  L1-CU w0.508: v3(62.916,101.549) 62.973,101.549 63.932,100.59 ; J1.1@63.932,99.339 63.932,100.59 ; v3(64.897,101.448) 64.789,101.448 63.932,100.59
  other v1: 87.884,122.174 89.281,122.174 90.551,122.174 87.884,123.444 90.551,123.444 89.256,123.469 87.884,124.841 89.281,124.841 90.551,124.841
  other v2: 104.572,124.257 103.683,124.282 103.683,125.146 104.572,125.146
  other v3: 68.58,99.06 80.01,106.68 87.63,106.68 95.25,106.68 68.58,114.3 76.2,114.3 83.82,114.3 91.44,114.3 114.3,114.3 121.92,114.3 129.54,114.3 72.39,121.92 110.49,121.92 118.11,121.92 125.73,121.92 60.96,129.54 68.58,129.54 99.06,129.54 106.68,129.54 114.3,129.54 121.92,129.54 129.54,129.54 72.39,137.16 80.01,137.16 87.63,137.16 95.25,137.16 102.87,137.16 110.49,137.16 118.11,137.16 125.73,137.16 133.35,137.16 140.97,137.16
NetC11_1: C11.1 C14.1 L3.2 | length 6.8
  L1-CU w0.343: C11.1@111.723,125.05 114.935,125.05 C14.1@115.011,125.126 115.062,125.075 L3.2@118.482,125.075
NetC12_2: C12.2 L1.2 L2.1 | length 5.6
  L1-CU w0.343: L2.1@128.47,125.095 131.282,125.095 131.359,125.017 L1.2@131.359,122.326
NetC13_1: C13.1 L2.2 L3.1 | length 6.3
  L1-CU w0.343: L3.1@120.482,125.075 120.543,125.136 C13.1@123.673,125.136 126.708,125.136 L2.2@126.75,125.095
NetC15_2: C15.2 L4.1 | length 2
  L1-CU w0.343: L4.1@135.966,126.984 C15.2@135.966,129.019
NetC16_1: C16.1 XCVR.10 XTAL.3 | length 16.2
  L1-CU w0.254: XCVR.10@141.857,124.878 141.857,126.748 140.411,128.194 140.411,130.607 141.134,131.33 XTAL.3@146.52,131.33 147.408,131.33 147.865,131.787 C16.1@147.865,133.68
NetC17_1: C17.1 XCVR.8 XTAL.1 | length 10.5
  L1-CU w0.254: XCVR.8@142.857,124.878 142.857,126.474 143.662,127.279 149.11,127.279 149.136,127.305 XTAL.1@149.136,129.63
NetC21_2: C21.2 C22.1 FEM.5 R7.2 | length 14.8
  L1-CU w0.254: C21.2@75.773,126.771 75.906,126.638 C22.1@78.41,126.638 80.245,126.638 83.789,123.094 FEM.5@86.41,123.094
  L1-CU w0.356: R7.2@73.088,126.771 C21.2@75.773,126.771
NetC23_2: C23.2 C24.1 FEM.7 L5.2 | length 11.8
  L1-CU w0.331: L5.2@75.323,121.362 L5.2@75.184,121.501 78.561,121.501 C23.2@78.994,121.068 79.414,121.488 C24.1@82.652,121.488 82.758,121.594 FEM.7@86.41,121.594
NetC55_1: C55.1 SW1.8 | length 3.7
  L1-CU w0.343: C55.1@98.489,123.088 99.898,123.088 100.6,123.79 SW1.8@101.94,123.79
NetC56_1: C56.1 SW1.5 | length 3.5
  L1-CU w0.343: C56.1@98.565,126.086 100.139,126.086 100.485,125.74 SW1.5@101.94,125.74
NetFEM_14: FEM.14 R8.2 | length 7.7
  L1-CU w0.356: FEM.14@91.131,120.607 91.131,118.861 93.843,116.149 R8.2@93.843,114.057
NetLED1_2: LED1.2 R5.1 | length 3.8
  L1-CU w0.635: R5.1@70.815,99.323 70.832,99.306 74.599,99.306 LED1.2@74.617,99.289
NetLED2_1: LED2.1 R6.1 | length 4.4
  L1-CU w0.635: R6.1@69.118,83.109 69.128,83.098 69.128,78.764 LED2.1@69.139,78.753
NetMCU_142: MCU.142 R11.1 | length 4.7
  L1-CU w0.254: R11.1@108.941,91.261 108.941,90.078 110.538,88.481 MCU.142@110.538,87.249
NetR1_2: R1.2 SW1.1 | length 8.9
  L1-CU w0.406: R1.2@103.497,116.316 103.497,121.422 105.865,123.79 SW1.1@106.34,123.79
NetR2_2: R2.2 SW1.2 | length 9.6
  L1-CU w0.331: SW1.2@106.34,124.44 107.558,124.44 107.752,124.246 107.752,116.751 107.318,116.316 R2.2@107.307,116.316
NetR4_1: R4.1 XCVR.17 | length 3.7
  L1-CU w0.254: XCVR.17@142.357,121.081 142.357,119.418 143.154,118.62 R4.1@143.154,117.664
NetR10_2: R10.2 SW2.2 | length 4.5
  L1-CU w0.508: R10.2@145.01,89.891 145.035,89.916 SW2.2@149.53,89.916
NRST: C54.2 MCU.27 pad.7@85.039,62.382 SW3.3 SW3.4 SWD.5 | length 49.5
  L1-CU w0.229: C54.2@81.559,62.369 87.439,62.369 97.35,72.28 MCU.27@107.569,72.28
  L1-CU w0.356: SWD.5@62.255,62.459 62.288,62.426 70.758,62.426 SW3.3@70.791,62.393 SW3.4@77.291,62.393 81.535,62.393 C54.2@81.559,62.369
PA0: CONN1.1 MCU.37 | length 34
  L1-CU w0.203: v2(108.562,65.02) 108.562,65.036 109.238,65.712 109.525,65.712 109.525,65.799 MCU.37@109.538,65.811
  L4-CU w0.203: CONN1.1@82.042,54.102 82.042,56.757 84.899,59.614 103.145,59.614 104.48,60.949 104.48,60.954 108.545,65.02 v2(108.562,65.02)
PA1: CONN1.2 MCU.38 | length 38.2
  L1-CU w0.203: v2(109.235,64.481) 109.292,64.538 109.755,64.538 110.038,64.821 MCU.38@110.038,65.811
  L4-CU w0.203: CONN1.2@82.042,51.562 83.179,52.699 83.179,56.547 85.687,59.055 105.931,59.055 107.594,60.719 107.594,63.305 108.771,64.481 v2(109.235,64.481)
PA2: CONN1.3 MCU.39 | length 35.2
  L1-CU w0.203: v2(110.538,64.002) MCU.39@110.538,65.811
  L4-CU w0.203: CONN1.3@84.582,54.102 84.582,56.744 86.462,58.623 106.674,58.623 108.269,60.219 108.269,63.209 109.063,64.002 v2(110.538,64.002)
PA3: CONN1.4 MCU.40 | length 38.7
  L1-CU w0.203: MCU.40@111.038,65.811 111.038,64.427 111.398,64.066 v2(111.398,64.002)
  L4-CU w0.203: CONN1.4@84.582,51.562 85.877,52.857 85.877,56.972 87.046,58.141 109.495,58.141 111.398,60.044 v2(111.398,64.002)
PA4: CONN1.5 MCU.43 | length 38
  L1-CU w0.203: MCU.43@112.538,65.811 112.548,65.822 112.548,67.236 v2(112.559,67.247)
  L4-CU w0.203: CONN1.5@87.122,54.102 87.122,56.744 87.833,57.455 109.728,57.455 112.039,59.766 112.039,63.98 112.538,64.478 112.538,67.225 v2(112.559,67.247)
PA5: CONN1.6 MCU.44 | length 42.2
  L1-CU w0.203: MCU.44@113.038,65.811 v2(113.038,68.303)
  L4-CU w0.203: CONN1.6@87.097,51.587 88.29,52.781 88.29,56.07 89.014,56.794 109.855,56.794 112.398,59.337 112.398,63.525 113.038,64.165 v2(113.038,68.303)
PA6: CONN1.7 MCU.45 | length 35.9
  L1-CU w0.203: MCU.45@113.538,65.811 v2(113.538,67.225)
  L4-CU w0.203: CONN1.7@89.662,54.102 89.662,55.454 90.443,56.236 110.109,56.236 113.038,59.164 113.038,63.284 113.538,63.784 v2(113.538,67.225)